# Altium PCB PCB1.PcbDoc (part 1 of 4) (continued)
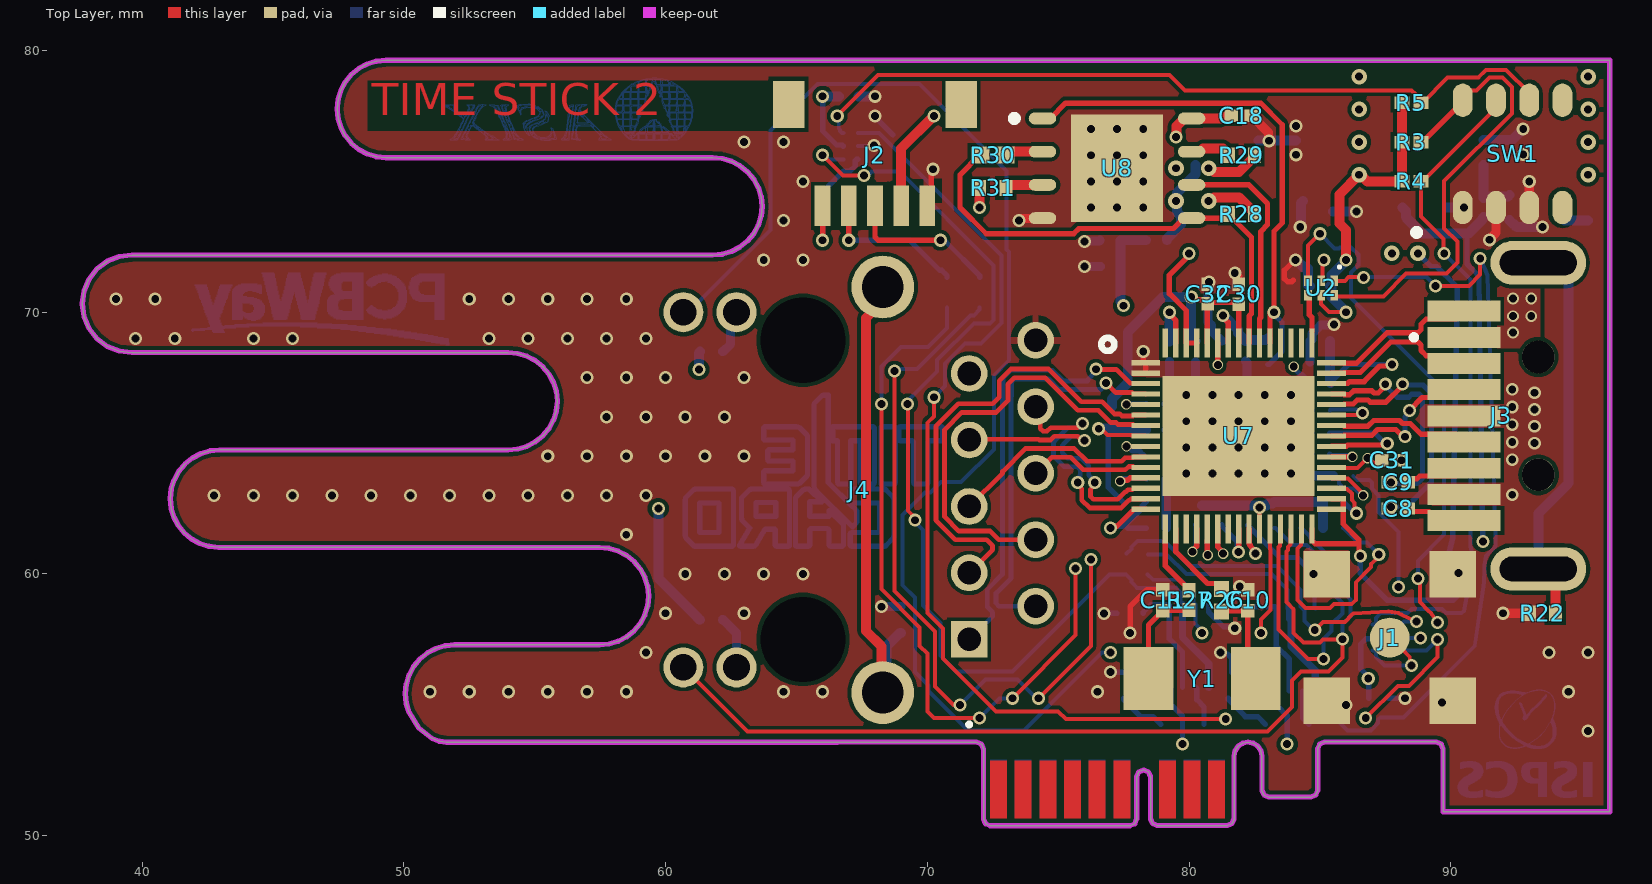
[diagram p0: Top Layer view]
## Part data (continued)
R18 R19: library part CRCW04020000Z0EDHP, "RES SMD 0 OHM JUMPER 1/5W 0402", Device Package="0402 (1005 Metric)", Manufacturer="Vishay Dale", Operating Temperature="-55°C ~ 155°C", Power (Watts)="0.2W, 1/5W", Ratings=AEC-Q200, Supplier Device Package=0402, Supplier Part Number 1=541-0.0YBCT-ND, Tolerance=Jumper, ComponentLink1Description=Datasheet, ComponentLink1URL=http://www.vishay.com/docs/20043/crcwhpe3.pdf, ComponentLink2Description="DigiKey Link", ComponentLink2URL=https://www.digikey.com/en/products/detail/vishay-dale/CRCW04020000Z0EDHP/2222496, Composition="Thick Film", Features="Automotive AEC-Q200, Pulse Withstanding", Height - Seated (Max)="0.016\" (0.40mm)", LastUpdated="2/9/2024 8:30:21 PM", Lifecycle Status=Active, Minimum Order=1, Number of Terminations=2, Package / Case="0402 (1005 Metric)", Packaging=TapeAndReel, Part Number=CRCW04020000Z0EDHP, Part Status=Active, PartId=3131, Price=0.01, Resistance="0 Ohms", Series=CRCW-HP, Size / Dimension="0.039\" L x 0.020\" W (1.00mm x 0.50mm)", Supplier 1=DigiKey
R22 R25: library part CMP-26527-001513-1, "1MΩ ±5% 0.063W 0402 Thick Film Chip Resistor AEC-Q200 compliant", Case Code (Imperial)=0402, Case Code (Metric)=1005, Manufacturer="Stackpole Electronics", Manufacturer Part Number=RMCF0402JT1M00, Max Operating Temperature=155°C, Max Power Dissipation=63mW, Min Operating Temperature=-55°C, Resistance=1MR, Resistor Type="Thick Film", Supplier Part Number=RMCF0402JT1M00CT-ND, Temperature Coefficient=100ppm/°C, Tolerance=5%, Working Voltage=50V, Case/Package=0402, CATEGORY="Chip SMD Resistors", ComponentLink1Description=https://datasheet.ciiva.com/26946/getdatasheetpartid-791049-26946706.pdf?src-supplier=Verical, ComponentLink1URL=https://datasheet.ciiva.com/26946/getdatasheetpartid-791049-26946706.pdf?src-supplier=Verical, Construction=Rectangular, Contact Plating=Tin, Depth=0.5mm, Features="Automotive AEC-Q200", Height=0.016inch, Lead Free="Lead Free", Length=0.039inch, Military Standard=Not, Mount="Surface Mount", Mounting Technology="Surface Mount", Number of Terminations=2, Packaging="Tape and Reel", Power Rating=63mW, Pricing="1=0.1, 10=0.016, 50=0.009, 100=0.0072, 500=0.00462, 1000=0.00389, 5000=0.00269 (USD)", Radiation Hardening=No, RoHS=Yes, RoHS Compliant=Yes, Series=RMCF, Stock=22890, Supplier=Digikey, Technology="THICK FILM", Width=0.02inch
R23 R24: library part CMP-13261-004965-1, "Res Thick Film 0402 330Ω 1% 0.063W ±100ppm/°C Molded SMD T/R", Case Code (Imperial)=0402, Case Code (Metric)=1005, Manufacturer=Samsung, Manufacturer Part Number=RC1005F331CS, Max Operating Temperature=155°C, Max Power Dissipation=63mW, Min Operating Temperature=-55°C, Package Quantity=1, Resistance=330R, Supplier Part Number=1276-3976-1-ND, Temperature Coefficient=100ppm/°C, Tolerance=1%, Case/Package=0402, CATEGORY="Chip SMD Resistors", ComponentLink1Description=https://datasheet.ciiva.com/16481/rc-series-16481001.pdf?src-supplier=Future+Electronics, ComponentLink1URL=https://datasheet.ciiva.com/16481/rc-series-16481001.pdf?src-supplier=Future+Electronics, Composition="Thick Film", Contact Plating=Tin, Depth=0.5mm, Features="Moisture Resistant", Height=0.016inch, Length=0.039inch, Military Standard=Not, Number of Terminations=2, Packaging="Tape and Reel", Power Rating=63mW, Pricing="1=0.1, 10=0.034, 50=0.0224, 100=0.0188, 500=0.01312, 1000=0.01142, 5000=0.0085 (USD)", Radiation Hardening=No, RoHS=Yes, RoHS Compliant=Yes, Series=RC, Stock=6645, Supplier=Digikey, Width=0.02inch
R27: library part CMP-2002-03738-1, Case Code (Imperial)=0402, Case Code (Metric)=1005, Manufacturer="KOA Speer", Manufacturer Part Number=RK73B1ETTP201J, Max Operating Temperature=155°C, Min Operating Temperature=-55°C, Package Quantity=10000, Power Rating=63mW, Supplier Part Number=2019-RK73B1ETTP201JCT-ND, Temperature Coefficient=200ppm/°C, Tolerance=5%, Voltage Rating=50V, Case/Package=0402, CATEGORY="Chip SMD Resistors", ComponentLink1Description=https://datasheet.ciiva.com/27054/1876901-27054398.pdf?src-supplier=Jameco, ComponentLink1URL=https://datasheet.ciiva.com/27054/1876901-27054398.pdf?src-supplier=Jameco, ComponentLink2Description=https://datasheet.ciiva.com/15202/getdatasheetpartid-170798-15202604.pdf?src-supplier=Verical, ComponentLink2URL=https://datasheet.ciiva.com/15202/getdatasheetpartid-170798-15202604.pdf?src-supplier=Verical, ComponentLink3Description=https://datasheet.ciiva.com/5555/rk73b-5555653.pdf?src-supplier=Mouser, ComponentLink3URL=https://datasheet.ciiva.com/5555/rk73b-5555653.pdf?src-supplier=Mouser, Construction=Rectangular, Depth=0.5mm, Height=0.35mm, Lead Free="Lead Free", Length=1mm, Military Standard=MIL-R-55342F, Mounting Technology="Surface Mount", Packaging="Tape and Reel", Part Number=RK73B1ETTP201J, Pricing="1=0.1, 10=0.017, 50=0.0104, 100=0.0087, 500=0.0058, 1000=0.00494, 5000=0.00355 (USD)", RoHS=Yes, RoHS Compliant=Yes, Series=RK73B, Stock=533194, Supplier=Digikey, Technology="THICK FILM", Termination=SMD/SMT, Voltage Rating (DC)=50V, Width=0.5mm
R30: library part CMP-2002-07182-1, Case/Package=0402, Manufacturer="Yageo / Phycomp", Manufacturer Part Number=RC0402FR-1322RL, Max Operating Temperature=155°C, Min Operating Temperature=-55°C, Package Height=0.35mm, Package Length=1mm, Package Shape=Rectangular, Package Style=SMTMeter, Package Width=0.5mm, Power=62.5mW, Rated Temperature=70°C, Resistor Type="FIXED RESISTOR", Supplier Part Number=13-RC0402FR-1322RLCT-ND, Temperature Coefficient=100ppm/°C, Tolerance=1%, Working Voltage=50V, Additional Feature="LASER TRIMMABLE", CATEGORY="Chip SMD Resistors", ComponentLink1Description=https://datasheet.ciiva.com:443/pdfs/VipMasterIC/IC/YAGO/YAGO-S-A0008145938/YAGO-S-A0008145938-1.pdf?src-supplier=IHS+Markit, ComponentLink1URL=https://datasheet.ciiva.com:443/pdfs/VipMasterIC/IC/YAGO/YAGO-S-A0008145938/YAGO-S-A0008145938-1.pdf?src-supplier=IHS+Markit, ComponentLink2Description=https://datasheet.ciiva.com/8890/pyu-rc0402-51-rohs-l-6-8890187.pdf?src-supplier=Avnet, ComponentLink2URL=https://datasheet.ciiva.com/8890/pyu-rc0402-51-rohs-l-6-8890187.pdf?src-supplier=Avnet, ComponentLink3Description=https://datasheet.ciiva.com/17423/pyu-rc0402-51-rohs-l-6-r-17423721.pdf?src-supplier=Future+Electronics, ComponentLink3URL=https://datasheet.ciiva.com/17423/pyu-rc0402-51-rohs-l-6-r-17423721.pdf?src-supplier=Future+Electronics, Construction=Chip, JESD-609 Code=e3, Mounting Technology="Surface Mount", Packaging="Tape and Reel", Part Number=RC0402FR-1322RL, Pins=2, Pricing="1=0.1, 10=0.015, 50=0.0088, 100=0.0073, 500=0.00488, 1000=0.00417, 5000=0.00297, 10000=0.00261 (USD)", Reach SVHC Compliant=Yes, RoHS=Yes, RoHS Compliant=Yes, Stock=43771, Supplier=Digikey, Technology="METAL GLAZE/THICK FILM", Terminal Finish=Nickel, Termination=Wraparound
R33: library part CMP-2002-07644-1, Case/Package=0402, Manufacturer=Yageo, Manufacturer Part Number=RC0402FR-0739K2L, Max Operating Temperature=155°C, Min Operating Temperature=-55°C, Package Height=0.35mm, Package Length=1mm, Package Shape=Rectangular, Package Style=SMTMeter, Package Width=0.5mm, Power=62.5mW, Rated Temperature=70°C, Resistor Type="FIXED RESISTOR", Supplier Part Number=311-39.2KLRCT-ND, Temperature Coefficient=100ppm/°C, Tolerance=1%, Working Voltage=50V, Additional Feature="LASER TRIMMABLE", CATEGORY="Chip SMD Resistors", ComponentLink1Description=https://datasheet.ciiva.com:443/pdfs/VipMasterIC/IC/YAGO/YAGO-S-A0008145938/YAGO-S-A0008145938-1.pdf?src-supplier=IHS+Markit, ComponentLink1URL=https://datasheet.ciiva.com:443/pdfs/VipMasterIC/IC/YAGO/YAGO-S-A0008145938/YAGO-S-A0008145938-1.pdf?src-supplier=IHS+Markit, ComponentLink2Description=https://datasheet.ciiva.com/7983/1018594-7983528.pdf?src-supplier=Element14, ComponentLink2URL=https://datasheet.ciiva.com/7983/1018594-7983528.pdf?src-supplier=Element14, ComponentLink3Description=https://datasheet.ciiva.com/5562/pyu-rc0402-51-rohs-l-6-r-5562837.pdf?src-supplier=Mouser, ComponentLink3URL=https://datasheet.ciiva.com/5562/pyu-rc0402-51-rohs-l-6-r-5562837.pdf?src-supplier=Mouser, ComponentLink4Description=https://datasheet.ciiva.com/2553/pyu-r-int-thick-7-2553209.pdf?src-supplier=Digikey, ComponentLink4URL=https://datasheet.ciiva.com/2553/pyu-r-int-thick-7-2553209.pdf?src-supplier=Digikey, ComponentLink5Description=https://datasheet.ciiva.com/2553/pyu-r-int-thick-7-2553210.pdf?src-supplier=Digikey, ComponentLink5URL=https://datasheet.ciiva.com/2553/pyu-r-int-thick-7-2553210.pdf?src-supplier=Digikey, ComponentLink6Description=https://datasheet.ciiva.com/2553/pyu-r-int-thick-7-2553211.pdf?src-supplier=Digikey, ComponentLink6URL=https://datasheet.ciiva.com/2553/pyu-r-int-thick-7-2553211.pdf?src-supplier=Digikey, ComponentLink7Description=https://datasheet.ciiva.com/16742/pyu-rc0402-51-rohs-l-6-r-16742220.pdf?src-supplier=Future+Electronics, ComponentLink7URL=https://datasheet.ciiva.com/16742/pyu-rc0402-51-rohs-l-6-r-16742220.pdf?src-supplier=Future+Electronics, Construction=Chip, JESD-609 Code=e3, Mounting Technology="Surface Mount", Packaging="Tape and Reel", Part Number=RC0402FR-0739K2L, Pins=2, Pricing="1=0.1, 10=0.015, 50=0.0088, 100=0.0073, 500=0.00488, 1000=0.00417, 5000=0.00297 (USD)", Reach SVHC Compliant=Yes, RoHS=Yes, RoHS Compliant=Yes, Stock=204222, Supplier=Digikey, Technology="METAL GLAZE/THICK FILM", Terminal Finish=Nickel, Termination=Wraparound
SW1: "SWITCH SLIDE DIP SPST 25MA 24V", Current Rating (Amps)=25mA, Manufacturer="CTS Electrocomponents", Operating Temperature="-55°C ~ 85°C", Supplier Part Number 1=CT2184LPST-ND, Voltage Rating=24VDC, Actuator Level="Flush, Recessed", Actuator Type="Slide (Standard)", Circuit=SPST, ComponentLink1Description=Datasheet, ComponentLink1URL=https://www.ctscorp.com/wp-content/uploads/218.pdf, ComponentLink2Description="DigiKey Link", ComponentLink2URL=http://digikey.com/product-detail/en/cts-electrocomponents/218-4LPST/CT2184LPST-ND/267320, Contact Finish=Gold, Contact Material="Beryllium Copper", Features="Epoxy Sealed Terminals, Tape Seal", Height Above Board="0.104\" (2.65mm)", LastUpdated="1/4/2020 7:03:56 PM", Lifecycle Status=Active, Minimum Order=1, Mounting Type="Surface Mount", Number of Positions=4, Packaging=Tube, Part Number=218-4LPST, Part Status=Active, PartId=10, Pitch="0.050\" (1.27mm), Half", Price=1.18, Series=218, Supplier 1=DigiKey, Termination Style="Gull Wing", Washable=Yes
U1 U4: "Integrated Circuit", Manufacturer_Name="ON Semiconductor", Mouser Part Number=512-NC7WV125K8X, Arrow Part Number=NC7WV125K8X, Arrow Price/Stock=https://www.arrow.com/en/products/nc7wv125k8x/on-semiconductor, Datasheet Link=https://www.mouser.com/datasheet/2/308/NC7WV125-1301459.pdf, Height=0.9mm, Manufacturer_Part_Number=NC7WV125K8X, Mouser Price/Stock=https://www.mouser.com/Search/Refine.aspx?Keyword=512-NC7WV125K8X
U2 U3 U5: "Analog Switch Single SPDT 6-Pin X2-DFN T/R", Package=None, Availability=Unavailable, MP=74LVC1G3157FZ4-7, Price=None
U6: library part CMP-0240-00158-1, "Synchronous rectification with inhibit, 1.5 A, 1.5 MHz adjustable, step-down switching regulator, 6-Pin DFN", Case/Package=DFN, Frequency=1.5MHz, Manufacturer=STMicroelectronics, Max Operating Temperature=125°C, Max Output Current=1.5A, Max Supply Voltage=6V, Min Input Voltage=2.7V, Min Operating Temperature=-30°C, Output Voltage=3.3V, Package Quantity=1, Quiescent Current=1.5mA, Supplier Part Number=497-6311-1-ND, Accuracy=2%, CATEGORY="Voltage Regulators - Switching", ComponentLink1Description="Manufacturer URL", ComponentLink1URL=http://www.st.com, ComponentLink2Description=Datasheet, ComponentLink2URL=http://www.st.com/internet/com/TECHNICAL_RESOURCES/TECHNICAL_LITERATURE/DATASHEET/CD00100211.pdf, ComponentLink3Description=https://datasheet.ciiva.com/15113/getdatasheetpartid-188384-15113793.pdf?src-supplier=Verical, ComponentLink3URL=https://datasheet.ciiva.com/15113/getdatasheetpartid-188384-15113793.pdf?src-supplier=Verical, ComponentLink4Description=https://datasheet.ciiva.com/2029/cd00100211-2029328.pdf?src-supplier=Digikey, ComponentLink4URL=https://datasheet.ciiva.com/2029/cd00100211-2029328.pdf?src-supplier=Digikey, ComponentLink5Description=https://datasheet.ciiva.com/2029/cd00100211-2029329.pdf?src-supplier=Digikey, ComponentLink5URL=https://datasheet.ciiva.com/2029/cd00100211-2029329.pdf?src-supplier=Digikey, ComponentLink6Description=https://datasheet.ciiva.com/2029/cd00100211-2029330.pdf?src-supplier=Digikey, ComponentLink6URL=https://datasheet.ciiva.com/2029/cd00100211-2029330.pdf?src-supplier=Digikey, ComponentLink7Description=https://datasheet.ciiva.com/16489/cd00100211-16489901.pdf?src-supplier=Future+Electronics, ComponentLink7URL=https://datasheet.ciiva.com/16489/cd00100211-16489901.pdf?src-supplier=Future+Electronics, ComponentLink8Description=https://datasheet.ciiva.com/4905/cd00100211-4905371.pdf?src-supplier=Mouser, ComponentLink8URL=https://datasheet.ciiva.com/4905/cd00100211-4905371.pdf?src-supplier=Mouser, DatasheetVersion=May-2009, Efficiency=90%, Height=0.95mm, Lead Free="Lead Free", Length=3.1mm, Manufacturer Part Number=ST1S06PU33R, Mounting Technology="Surface Mount", Number of Outputs=1, Operating Supply Voltage=6V, Output Current=1.5A, Output Type=Fixed,Adjustable, PackageDescription="6-Pin Plastic, Dual LLP, 3 x 3 mm Body, 0.95 mm Pitch, Exposed Pad", PackageReference=DFN6D, PackageVersion=2008, Packaging="Tape and Reel", Pins=6, Polarity=Positive, Pricing="1=1.46, 10=1.306, 25=1.2392, 100=1.0179, 250=0.95156, 500=0.8409, 1000=0.66387 (USD)", Radiation Hardening=No, RoHS=Yes, RoHS Compliant=Yes, Series=-, Stock=5274, Supplier=Digikey, Switching Frequency=1.5MHz, Synchronous Rectifier=Yes, Weight=0.000744oz, Width=3.1mm
U7: library part IC_AX88279
U8: library part CMP-00252-18686437-1, "SST25VF016B-50-4I-QAF-T Flash Serial-SPI 3.3V 16Mbit 2M x 8bit 8ns 8-Pin WSON EP T/R - Tape and Reel", Frequency=50MHz, Max Operating Temperature=85°C, Max Supply Voltage=3.6V, Min Operating Temperature=-40°C, Min Supply Voltage=2.7V, Nominal Supply Current=15mA, Operating Supply Voltage=3.3V, Access Time=8ns, Address Bus Width=1b, Data Bus Width=8b, Density=16Mb, Height=800µm, Interface=SPI, Lead Free="Lead Free", Lifecycle Status=Production, Max Frequency=50MHz, Memory Size=2MB, Memory Type=FLASH, Mount="Surface Mount", NexarPartId=18686437, Number of Pins=8, Packaging="Tape and Reel", Radiation Hardening=No, RoHS=Compliant, Schedule B="8542320050, 8542320050", Sync/Async=Synchronous, Word Size=8b
U9: library part CMP-0240-00159-1, "Synchronous rectification with inhibit, 1.5 A, 1.5 MHz adjustable, step-down switching regulator, 6-Pin DFN", ComponentLink1Description="Manufacturer URL", ComponentLink1URL=http://www.st.com, ComponentLink2Description=Datasheet, ComponentLink2URL=http://www.st.com/internet/com/TECHNICAL_RESOURCES/TECHNICAL_LITERATURE/DATASHEET/CD00100211.pdf, DatasheetVersion=May-2009, PackageDescription="6-Pin Plastic, Dual LLP, 3 x 3 mm Body, 0.95 mm Pitch, Exposed Pad", PackageReference=DFN6D, PackageVersion=2008
Y1: library part CMP-27762-002203-1, "Crystal 25MHz ±20ppm 18pF SMD-2 5mm x 3.2mm", Case/Package=CSMD, ESR (Equivalent Series Resistance)=30R, Frequency=25MHz, Frequency Stability=30ppm, Frequency Tolerance=20ppm, Load Capacitance=18pF, Manufacturer=Abracon, Max Operating Temperature=85°C, Min Operating Temperature=-40°C, Operating Frequency="25 MHz", Operating Frequency-Nom=250, Package Quantity=1000, Resistor Type=Ceramic, Supplier Part Number=535-10645-1-ND, Aging="5 PPM/FIRST YEAR", CATEGORY=Crystals, ComponentLink1Description=https://datasheet.ciiva.com:443/pdfs/VipMasterIC/IC/ABRC/ABRCS03152/ABRCS03152-1.pdf?src-supplier=IHS+Markit, ComponentLink1URL=https://datasheet.ciiva.com:443/pdfs/VipMasterIC/IC/ABRC/ABRCS03152/ABRCS03152-1.pdf?src-supplier=IHS+Markit, ComponentLink2Description=https://datasheet.ciiva.com/855/abm3-855867.pdf?src-supplier=Digikey, ComponentLink2URL=https://datasheet.ciiva.com/855/abm3-855867.pdf?src-supplier=Digikey, ComponentLink3Description=https://datasheet.ciiva.com/855/abm3-855868.pdf?src-supplier=Digikey, ComponentLink3URL=https://datasheet.ciiva.com/855/abm3-855868.pdf?src-supplier=Digikey, ComponentLink4Description=https://datasheet.ciiva.com/855/abm3-855869.pdf?src-supplier=Digikey, ComponentLink4URL=https://datasheet.ciiva.com/855/abm3-855869.pdf?src-supplier=Digikey, ComponentLink5Description=https://datasheet.ciiva.com/16223/abm3-16223368.pdf?src-supplier=Future+Electronics, ComponentLink5URL=https://datasheet.ciiva.com/16223/abm3-16223368.pdf?src-supplier=Future+Electronics, ComponentLink6Description=https://datasheet.ciiva.com/7998/abm3-7998575.pdf?src-supplier=Element14, ComponentLink6URL=https://datasheet.ciiva.com/7998/abm3-7998575.pdf?src-supplier=Element14, Crystal/Resonator Type="PARALLEL - FUNDAMENTAL", Depth=3.2mm, Drive Level=10uW, ESR=50R, Height=0.051inch, JESD-609 Code=e4, Lead Free="Lead Free", Length=5mm, Manufacturer Part Number=ABM3-25.000MHZ-D2Y-T, Mount="Surface Mount", Mounting Technology="Surface Mount", Number of Pins=2, Packaging="Tape and Reel", Pricing="1=0.59, 10=0.505, 50=0.4552, 100=0.4354, 500=0.39268 (USD)", REACH SVHC=Yes, Reach SVHC Compliant=Yes, RoHS=Yes, RoHS Compliant=Yes, Series=ABM3, Series Resistance=30R, Stock=31136, Supplier=Digikey, Terminal Finish=Silver, Termination=SMD/SMT, Tolerance=20ppm, Width=3.2mm

## Via types
v1: diameter 0.5, hole 0.3, Top Layer to Bottom Layer, tented both sides, 181 vias
v2: diameter 0.6, hole 0.3, Top Layer to Bottom Layer, tented bottom, 32 vias
v3: diameter 0.6, hole 0.3, Top Layer to Bottom Layer, tented both sides, 14 vias
v4: diameter 0.4, hole 0.3, Top Layer to Bottom Layer, tented both sides, 11 vias
v5: diameter 0.48, hole 0.3, Top Layer to Bottom Layer, tented both sides, 10 vias
v6: diameter 0.45, hole 0.3, Top Layer to Bottom Layer, tented both sides, 5 vias
v7: diameter 0.5, hole 0.3, Top Layer to Bottom Layer, tented bottom, 2 vias
v8: diameter 0.5, hole 0.3, Top Layer to Bottom Layer, 2 vias

## Nets (pads, with @x,y where several pads share a name; then routed paths per layer and width w, separated by ;. In a path a pad name is that pad's centre, name@x,y a point inside that pad or via, vN(x,y) a via of type N, cw(c..) or ccw(c..) an arc to the next point about the centre after c; other vN are vias at no path point)
1PPS_IN: R9.1 U4.2 U4.5 U5.4 | length 41.8
  Top Layer w0.152: v1(66,76) 66.779,75.221 v1(67.586,75.221) ; v1(69.25,66.5) 69.262,66.488 69.262,62.415 69.528,62.149 v1(69.528,62.055)
  Bottom Layer w0.152: v1(66,76) 66.094,76 66.25,75.844 U5.4@66.794,75.844 ; v1(67.586,75.221) 67.652,75.287 67.787,75.287 67.871,75.371 68.948,75.371 72.526,71.794 72.526,69.706 72.394,69.574 71.776,69.574 70.371,68.169 70.371,67.741 69.317,66.686 69.317,66.567 v1(69.25,66.5) ; v1(69.528,62.055) 69.528,61.98 69.829,61.679 69.829,58.791 70.5,58.12 70.5,56.875 71.104,56.271 72.92,56.271 72.927,56.279 73.25,56.279 76.956,59.985 R9.1@77.564,59.985 77.585,59.985 77.795,59.775 77.795,59.697 78.019,59.473 78.822,59.473 78.826,59.476 79.494,59.476 79.676,59.294 79.676,58.899 U4.2@79.75,58.825
  Bottom Layer w0.276: U4.2@79.75,58.825 79.75,57.575 80.75,56.575 U4.5@80.75,55.675
1PPS_IN_BUFF: R9.2 U2.3 U4.3 | length 36.4
  Top Layer w0.152: U2.3@84.55,71.202 84.55,72.55 v1(85,73) ; v1(88.75,59.829) 88.817,59.763 88.817,58.933 89.157,58.593 89.247,58.503 v1(89.5,58.15)
  Int2 (PWR) w0.152: v1(80.5,57.75) 81.25,57.75 81.774,57.226 85.479,57.226 86.229,56.476 87.695,56.476 88.148,56.024 88.697,56.024 90.25,57.577 90.25,58.161 90.161,58.25 89.999,58.25 89.965,58.217 89.567,58.217 v1(89.5,58.15)
  Bottom Layer w0.152: R9.2@78.421,59.985 78.627,59.779 79.691,59.779 80.176,59.294 80.176,58.899 U4.3@80.25,58.825 80.25,58.094 80.5,57.844 v1(80.5,57.75) ; v1(85,73) 85.56,72.44 85.733,72.44 85.769,72.476 86.197,72.476 86.476,72.197 86.476,71.803 86.197,71.524 86.197,70.546 89.75,66.993 89.75,61.5 88.75,60.5 v1(88.75,59.829)
1PPS_IN_LED: D2.1 U4.6 | length 1.6
  Bottom Layer w0.203: U4.6@80.25,55.675 80.298,55.626 80.298,55.196 80.575,54.919 D2.1@80.575,54.25
1PPS_OUT: R6.2 U1.2 U1.5 U2.1 | length 40.1
  Top Layer w0.152: U2.1@85.55,71.202 85.952,71.202 86.095,71.345 86.655,71.345 v1(86.673,71.327) ; v1(89.421,71) 90.689,71 91.125,71.437 v1(91.125,72.048)
  Bottom Layer w0.152: R6.2@78.429,60.75 79.148,60.75 79.903,59.994 81.53,59.994 81.532,59.997 83.159,59.997 83.759,59.397 83.759,58.752 U1.2@83.833,58.678 ; U1.5@84.833,55.528 84.833,55.253 86.062,54.024 86.947,54.024 87.226,54.303 87.226,54.435 87.315,54.524 88.197,54.524 90.917,57.244 91.279,59.677 91.289,60.211 cw(c92.345,60.19) 91.298,60.329 91.345,60.686 91.702,61.043 91.702,61.437 91.405,71.408 cw(c92.345,71.89) 91.33,71.596 v1(91.125,72.048) ; v1(86.673,71.327) 86.692,71.345 89.076,71.345 v1(89.421,71)
  Bottom Layer w0.276: U1.2@83.833,58.678 83.845,58.666 83.845,58.286 83.895,58.236 83.895,57.234 84.821,56.308 84.821,55.54 U1.5@84.833,55.528
1PPS_OUT_BUFF: R6.1 U1.3 U3.1 | length 14.9
  Top Layer w0.152: v1(84.806,57.853) 85.114,58.16 85.951,58.16 86.234,58.444 86.279,58.488 87.615,58.558 cw(c87.668,57.571) 88.126,58.447 v1(88.697,58.179)
  Bottom Layer w0.152: R6.1@77.62,60.777 77.803,60.96 77.803,61.038 78.027,61.262 79.063,61.262 80.028,60.297 81.405,60.297 81.407,60.299 83.357,60.299 84.259,59.397 84.259,58.752 U1.3@84.333,58.678 84.407,58.604 84.407,58.209 84.763,57.853 v1(84.806,57.853) ; U3.1@87.565,58.071 87.606,58.112 88.142,58.112 88.209,58.179 v1(88.697,58.179)
1PPS_OUT_LED: D1.1 U1.6 | length 1.4
  Bottom Layer w0.203: U1.6@84.333,55.528 84.333,54.492 D1.1@84.575,54.25
1PPS_SMA_IO: J1.1 U3.4 | length 3.7
  Top Layer w0.152: J1.1@87.25,57.5 87.615,57.135 88.129,57.135 88.433,56.831 88.433,56.567 v1(88.5,56.5)
  Bottom Layer w0.152: U3.4@87.015,57.071 87.065,57.071 87.139,56.997 87.139,56.827 87.466,56.5 v1(88.5,56.5) v1@88.5,56.536
279_1PPS_IO: U2.4 U7.46 | length 1.4
  Top Layer w0.203: U2.4@84.55,70.652 84.598,70.604 84.598,69.902 84.697,69.803 U7.46@84.697,69.27
279_TOD_IN: J2.3 R18.2 | length 5.9
  Top Layer w0.203: J2.3@68,74.062 68,72.869 68.119,72.75 v1(70.5,72.75)
  Bottom Layer w0.203: v1(70.5,72.75) 70.557,72.693 70.707,72.693 72,71.4 R18.2@72,71.325
279_TOD_IN_R: R18.1 U7.20 | length 33.3
  Top Layer w0.152: v1(68.75,67.75) 68.75,59.351 70.302,57.799 70.302,55.698 71,55 v1(71.25,55) ; v1(74.25,55.25) 76.25,57.25 v1(76.25,60.559)
  Top Layer w0.203: U7.20@80.696,61.273 80.696,60.741 v4(80.714,60.723)
  Int2 (PWR) w0.152: v1(76.25,60.559) 76.317,60.492 76.383,60.559 78.285,60.559 78.433,60.41 80.401,60.41 v4(80.714,60.723)
  Bottom Layer w0.152: v1(68.75,67.75) 68.844,67.75 68.931,67.837 69.612,67.837 71.651,69.876 71.776,69.876 72,70.1 R18.1@72,70.175 ; v1(71.25,55) 72.219,55.969 73.046,55.969 73.053,55.976 73.447,55.976 74.173,55.25 v1(74.25,55.25)
279_TOD_OUT: J2.4 R19.2 | length 5.7
  Top Layer w0.203: v1(67,72.75) J2.4@67,74.062
  Bottom Layer w0.203: v1(67,72.75) 69.325,72.75 70.477,71.599 70.552,71.599 70.75,71.4 R19.2@70.75,71.325
279_TOD_OUT_R: R19.1 U7.21 | length 34.5
  Top Layer w0.152: v1(68.25,66.5) 68.25,59.423 69.711,57.962 69.711,57.241 70,56.952 70,54.75 70.25,54.5 v1(72,54.5) ; v1(73.25,55.25) 75.669,57.669 v1(75.669,60.209)
  Top Layer w0.203: U7.21@81.096,61.722 81.098,61.72 81.098,61.036 81.3,60.834 v4(81.3,60.781)
  Int2 (PWR) w0.152: v1(75.669,60.209) 75.735,60.143 75.857,60.143 75.918,60.082 80.832,60.082 81.252,60.502 81.252,60.733 v4(81.3,60.781)
  Bottom Layer w0.152: v1(68.25,66.5) 68.25,67.923 69.002,68.675 70.022,68.675 70.75,69.403 R19.1@70.75,70.175 ; v1(72,54.5) 72.75,55.25 v1(73.25,55.25)
AVDD10: C14.2 C15.2 FB1.2 U7.43 | length 6.9
  Top Layer w0.203: U7.43@85.446,67.272 85.447,67.273 86.06,67.273 86.135,67.348 86.69,67.348 87.285,67.943 87.693,67.943 v1(87.75,68)
  Bottom Layer w0.203: FB1.2@85.4,67.3 85.4,67.35 85.498,67.448 85.548,67.448 86.1,68 v1(87.75,68)
  Bottom Layer w0.381: C14.2@85.379,68.9 85.39,68.888 85.39,67.309 FB1.2@85.4,67.3
AVDD_1.85: C33.2 C34.2 FB2.2 FB4.2 U7.8 U7.40 | length 22.3
  Top Layer w0.152: v1(76.549,65.549) 76.643,65.549 76.891,65.301 77.787,65.301 77.793,65.296 78.322,65.296 U7.8@78.346,65.272 ; U7.40@85.446,66.072 86.464,66.072 86.539,66.147 v1(86.633,66.147)
  Int2 (PWR) w0.203: v1(76.549,65.549) 77.156,66.156 77.156,66.784 77.334,66.961 77.334,68.523 76.584,69.272 76.584,70.834 77,71.25 78.131,71.25 78.25,71.131 78.25,69.75 78.752,69.249 78.752,67.855 78.25,67.353 78.25,66.5
  Bottom Layer w0.152: C33.2@85.379,66.25 85.407,66.278 86.408,66.278 86.539,66.147 v1(86.633,66.147)
  Bottom Layer w0.203: FB4.2@77,65.6 76.975,65.575 76.918,65.518 76.918,63.307 FB2.2@77.5,62.724
  Bottom Layer w0.349: v1(76.549,65.549) 76.575,65.575 FB4.2@76.975,65.575 ; FB4.2@77,65.6 77.05,65.6 77.15,65.5 C34.2@78.371,65.5
AVDD_33: C19.2 C24.2 C25.2 C26.2 C27.2 FB3.2 U7.5 U7.12 U7.37 | length 10.9
  Top Layer w0.203: v4(77.369,63.54) 77.407,63.578 77.646,63.578 77.692,63.623 77.695,63.623 77.742,63.67 78.345,63.67 U7.12@78.346,63.672 ; U7.37@85.446,64.872 85.447,64.873 86.003,64.873 86.055,64.926 87.519,64.926 v1(87.572,64.979)
  Bottom Layer w0.203: v4(77.369,63.54) 77.422,63.54 77.531,63.649 78.371,63.649 C27.2@78.379,63.64 ; v4(77.608,66.477) 77.619,66.488 78.36,66.488 C24.2@78.371,66.5 ; C25.2@85.382,65.381 87.097,65.381 87.499,64.979 v1(87.572,64.979)
  Bottom Layer w0.381: v1(77.5,70.25) 77.5,70.282 77.379,70.404 C26.2@77.379,71.75 77.39,71.761 77.39,72.739 C19.2@77.401,72.75 FB3.2@78.35,72.75
CHASSIS_GND: J4.MH1 J4.MH2 R25.1 | length 18.8
  Top Layer w0.381: J4.MH1@68.3,55.465 68.246,55.519 68.246,57.236 67.659,57.823 67.659,69.778 68.3,70.419 J4.MH2@68.3,70.965
  Bottom Layer w0.381: J4.MH2@68.159,71.105 J4.MH2@68.3,70.965 ; J4.MH1@68.3,55.465 68.436,55.601 68.436,57.236 68.95,57.75 R25.1@69,57.75
D_N: J3.2 U7.38 | length 6.5
  Top Layer w0.2: U7.38@85.446,65.272 85.896,65.272 85.921,65.297 86.985,65.297 87.203,65.515 87.898,65.515 88.169,65.244 v1(88.25,65.244) ; v1(88.418,66.251) 88.908,66.74 90.205,66.74 J3.2@90.505,67.04
  Bottom Layer w0.2: v1(88.25,65.244) 88.25,66.001 88.418,66.169 v1(88.418,66.251)
D_P: J3.3 U7.39 | length 5.5
  Top Layer w0.2: U7.39@85.446,65.672 85.896,65.672 85.921,65.647 86.84,65.647 87.058,65.865 88.043,65.865 88.158,65.751 88.451,65.751 88.861,65.34 90.205,65.34 J3.3@90.505,65.04
DVDD_1.85: C13.2 C30.2 C31.2 C32.2 FB4.1 U7.26 U7.35 U7.53 U7.56 | length 29.2
  Top Layer w0.152: v1(82.751,57.75) 82.751,58.251 83.116,58.616 83.116,60.938 83.096,60.958 U7.26@83.096,61.722 ; U7.35@85.446,64.072 85.47,64.048 86.44,64.048 v4@86.75,64.358 ; v4@86.817,64.5 87.127,64.19 C31.2@87.162,64.19
  Top Layer w0.203: v1(80.084,70.584) 80.165,70.584 80.278,70.471 80.578,70.471 80.713,70.336 C32.2@80.713,70.315 ; U7.56@80.696,68.822 80.698,68.823 80.698,70.3 C32.2@80.713,70.315 ; U7.53@81.896,68.822 C30.2@81.896,70.307 81.832,70.371 80.769,70.371 C32.2@80.713,70.315
  Int2 (PWR) w0.152: v4(86.821,64.429) 86.821,64.484 87.096,64.76 87.096,65.176 87.647,65.727
  Int2 (PWR) w0.349: 86.512,58.43 87.689,58.43
  Int2 (PWR) w0.381: v1(80.084,70.584) 80.107,70.561 80.52,70.561 80.621,70.46 82.875,70.46 83.005,70.59 87.495,70.59
  Bottom Layer w0.381: FB4.1@77,66.4 77.05,66.4 77.06,66.41 77.06,66.693 77.66,67.293 77.66,69.245 79.005,70.59 80.078,70.59 v1(80.084,70.584) 80.084,69.067 C13.2@80.159,68.992 ; C13.2@80.159,68.991 C13.2@80.25,68.901
DVDD_33: C7.2 C18.2 C20.2 C21.2 C22.2 C23.2 FB3.1 L1.2 R11.2 R14.1 R15.1 R16.2 R17.2 R20.2 R21.1 R23.1 R24.1 R28.1 R29.1 R31.1 U6.1 U7.25 U7.36 U7.54 U7.59 U8.8 | length 42
  Top Layer w0.152: U7.25@82.696,61.722 v1(82.696,62.537)
  Top Layer w0.203: v1(79.25,70) 79.25,69.922 79.496,69.676 U7.59@79.496,68.822 ; v1(81.302,69.87) 81.302,69.807 81.496,69.614 U7.54@81.496,68.822 ; U7.36@85.446,64.472 85.447,64.473 86.241,64.473 v4(86.242,64.474)
  Top Layer w0.381: v1(72,74) R31.1@72,74.75 ; v1(79.5,76.698) 79.523,76.721 79.523,77.109 79.819,77.405 U8.8@80.1,77.405 81.197,77.405 81.246,77.454 81.576,77.454 C18.2@81.621,77.5 ; v3(80.75,74.25) 80.809,74.25 80.95,74.39 81.91,74.39 82.5,73.8 R28.1@82.5,73.75 ; v3(80.75,75.5) 80.809,75.5 80.95,75.36 81.91,75.36 82.5,75.95 R29.1@82.5,76
  Int2 (PWR) w0.203: v1(81.302,69.87) 82.798,68.374 85.115,68.374 ; 84.75,64.5 84.776,64.474 v4(86.242,64.474)
  Int2 (PWR) w0.381: 85.115,68.374 85.241,68.374 87.223,66.392 87.223,65.902 86.246,64.925 86.246,64.478 v4(86.242,64.474)
  Bottom Layer w0.152: v1(82.696,62.537) 82.712,62.537 82.712,62.584 v1@82.75,62.621
  Bottom Layer w0.203: C22.2@85.368,64.579 85.489,64.458 85.489,64.477 85.524,64.512 86.205,64.512 v4(86.242,64.474)
  Bottom Layer w0.381: v1(59.724,62.5) 59.724,59.848 61.204,58.367 61.204,58.346 61.3,58.25 R24.1@61.321,58.25 ; v1(61.273,67.812) 61.273,68.451 R23.1@61.321,68.5 ; FB3.1@79.15,72.75 79.16,72.759 79.16,72.809 79.698,73.348 79.698,73.664 79.542,73.82 79.542,74.191 79.601,74.25 79.542,74.309 79.542,74.565 80.25,75.273 L1.2@80.25,75.624 ; C21.2@79.25,68.879 v1(79.25,70) ; R17.2@80.5,62.625 80.505,62.62 81.495,62.62 81.5,62.616 81.506,62.621 82.75,62.621 82.952,62.621 83.022,62.69 83.191,62.69 R14.1@83.25,62.75 R15.1@84.25,62.75 R20.2@85.125,62.75 R16.2@85.125,61.75 ; v1(81.302,69.87) 81.324,69.87 81.872,69.322 81.872,69.203 82.115,68.96 82.115,68.939 C23.2@82.161,68.893 ; C23.2@82.206,68.946 82.946,68.946 R21.1@83,69
  other v3: 79.5,74.25 79.5,75.5
GND: C1.1 C2.1 C3.1 C4.1 C5.1 C6.1 C7.1 C10.2 C11.2 C12.1 C13.1 C14.1 C15.1 C16.1 C17.1 C18.1 C19.1 C20.1 C21.1 C22.1 C23.1 C24.1 C25.1 C26.1 C27.1 C28.1 C29.1 C30.1 C31.1 C32.1 C33.1 C34.1 J1.2 J1.3 J1.4 J1.5 J2.1 J3.4 J3.7 J4.P10 R1.2 R7.2 R12.1 R13.2 R22.1 R25.2 R33.1 SW1.1 SW1.2 SW1.3 U1.4 U2.2 U3.2 U4.4 U5.2 U6.2 U6.7 U7.1 U7.2 U7.61 U8.4 U8.9 U9.2 U9.7 | length 57.1
  Top Layer w0.152: U2.2@85.05,71.202 85.1,71.252 85.1,71.95 v1(85.15,72)
  Top Layer w0.203: J2.1@70,74.062 70.155,74.217 70.155,75.405 v1(70.212,75.462) ; v1@77.75,58 77.75,58.75 78.4,59.4 C11.2@79,59.4 ; v1(78.25,68.5) 78.25,68.073 78.252,68.072 U7.1@78.346,68.072 U7.2@78.346,67.672 ; v1(81.938,59.521) 81.994,59.464 82.128,59.464 82.157,59.493 C10.2@82.25,59.4 ; 83.981,71.216 83.931,71.166 83.763,71.166 83.644,71.285 83.644,71.604 84.04,72 v1(84.074,72)
  Top Layer w0.349: v1(73.5,73.5) 73.541,73.5 73.617,73.576 74.381,73.576 U8.4@74.4,73.595 ; C18.1@82.379,77.5 82.4,77.5 83.033,76.867 83.033,76.579 v1(83.062,76.55) ; J1.3@84.837,55.087 84.924,55 v1(86,55) ; v1(91.483,72.767) 91.483,72.794 91.73,73.042 SW1.2@91.73,74 ; v1(92,58.5) R22.1@93,58.5 ; SW1.3@93,74 v1(93,75)
  Top Layer w0.381: C32.1@80.713,71.072 80.713,71.094 v1(80.768,71.149) ; v1(81.75,71.5) 81.75,71.468 81.85,71.368 81.85,71.11 C30.1@81.896,71.064
  Bottom Layer w0.152: U5.2@67.344,76.344 67.356,76.356 67.947,76.356 v1(67.959,76.368) ; v1(84.75,60) 84.791,59.959 84.791,58.72 U1.4@84.833,58.678 ; U3.2@87.565,57.571 87.577,57.559 88.838,57.559 v1(88.85,57.547)
  Bottom Layer w0.203: v1(68,77.5) 68,77.463 68.687,76.776 ; v1(76.753,58.489) 76.759,58.494 77.244,58.494 R7.2@77.25,58.5 ; v1(77,56.25) C5.1@77.621,56.25 ; U4.4@80.75,58.825 80.75,58.55 81.318,57.982 81.692,57.982 v1(81.748,57.925) ; v1(81.2,57) 81.257,56.943 81.469,56.943 81.621,56.791 C3.1@81.621,56.25 ; R1.2@81.5,58.75 81.5,58.8 81.881,59.181 81.881,59.464 v1(81.938,59.521) ; C20.1@82.25,61.871 82.25,61.85 82.672,61.428 82.672,61.423 83.467,60.627 84.123,60.627 v1(84.75,60) ; C2.1@87.629,55.25 v1(88.25,55.25)
  Bottom Layer w0.349: v1(68.25,58.75) R25.2@69,58.75 ; v1(76,71.75) C26.1@76.621,71.75 ; v1(76,72.697) 76.027,72.723 76.572,72.723 C19.1@76.599,72.75 ; C17.1@79.129,61.75 C16.1@79.129,62.75 79.133,62.754 79.133,63.636 C27.1@79.137,63.64 79.198,63.702 79.694,63.702 79.827,63.835 v2(79.895,63.835) 79.529,64.201 79.499,64.201 79.25,64.45 R13.2@79.25,64.5 ; C34.1@79.129,65.5 79.19,65.438 79.292,65.438 v2(79.895,64.835) ; C24.1@79.129,66.5 79.15,66.5 79.767,65.883 79.847,65.883 v2(79.895,65.835) ; C21.1@79.25,68.121 79.25,67.48 v2(79.895,66.835) ; C13.1@80.25,68.099 80.25,67.48 v2(80.895,66.835) ; v1(80.768,71.149) 80.768,71.108 80.728,71.068 80.728,69.632 80.856,69.504 80.856,69.294 C12.1@81.25,68.901 ; C23.1@82.161,68.136 82.222,68.074 82.222,67.508 v2(82.895,66.835) ; v2(83.895,63.835) R12.1@83.938,63.793 ; v2(83.895,64.835) 83.963,64.835 84.158,64.641 84.549,64.641 C22.1@84.611,64.579 ; v2(83.895,65.835) 83.963,65.835 84.316,66.188 84.56,66.188 C33.1@84.621,66.25 ; v2(83.895,66.835) v2@83.895,66.903 ; v2@84.106,64.883 84.603,65.381 C25.1@84.625,65.381 ; C15.1@84.621,68.1 C14.1@84.621,68.9 84.643,68.9 84.705,68.962 84.705,69.179 85.033,69.507 85.516,69.507 v1(85.545,69.536)
  Bottom Layer w0.381: C4.1@67.379,78.25 v1(68,78.25) ; U6.2@82.657,76.567 82.66,76.563 83.049,76.563 v1(83.062,76.55) ; v1@83.062,76.567 U6.7@84.082,76.567 ; v1(84.074,72) 84.106,72 84.442,71.664 84.554,71.664 84.554,71.046 84.6,71 C1.1@84.621,71 ; v1(84.25,73.25) 84.273,73.273 84.273,74.173 C7.1@84.35,74.25 ; C6.1@85.5,73.849 85.503,73.852 86.392,73.852 v1(86.395,73.855) ; C29.1@89.85,74 v1(90.5,74) ; U9.2@91.243,76.583 92.351,76.583 v8(92.768,77) ; R33.1@92.25,73.525 92.25,73.5 92.384,73.365 92.41,73.365 92.525,73.25 v1(93.5,73.25) ; C28.1@94.25,73.599 94.339,73.509 94.519,73.509 94.529,73.5 95.25,73.5
  other v1: 95.25,54 89.663,55.087 51,55.5 52.5,55.5 54,55.5 55.5,55.5 57,55.5 58.5,55.5 64.5,55.5 66,55.5 76.5,55.5 94.5,55.5 59.25,57 93.75,57 95.25,57 77.75,57.75 60,58.5 63,58.5 60.75,60 62.25,60 63.75,60 65.25,60 90.292,60.037 58.5,61.5 42.75,63 44.25,63 45.75,63 47.25,63 48.75,63 50.25,63 51.75,63 53.25,63 54.75,63 56.25,63 57.75,63 59.25,63 88.118,64.343 55.5,64.5 57,64.5 58.5,64.5 60,64.5 61.5,64.5 63,64.5 57.75,66 59.25,66 60.75,66 62.25,66 57,67.5 58.5,67.5 60,67.5 63,67.5 39.75,69 41.25,69 44.25,69 45.75,69 53.25,69 54.75,69 56.25,69 57.75,69 59.25,69 39,70.5 40.5,70.5 52.5,70.5 54,70.5 55.5,70.5 57,70.5 58.5,70.5 63.75,72 65.25,72 64.5,73.5 65.25,75 63,76.5 64.5,76.5
  other v2: 80.895,63.835 81.895,63.835 82.895,63.835 80.895,64.835 81.895,64.835 82.895,64.835 80.895,65.835 81.895,65.835 82.895,65.835 81.895,66.835 76.25,74 77.25,74 78.25,74 76.25,75 77.25,75 78.25,75 76.25,76 77.25,76 78.25,76 76.25,77 77.25,77 78.25,77
  other v5: 92.35,63.025 92.35,64.367 93.2,65 92.35,65.037 93.2,65.642 92.35,65.708 93.2,66.283 92.35,66.379 93.2,66.925 92.35,67.05
  other v7: 84.082,76.017 84.082,77.117
  other v8: 92.768,76.033